# KiCad board MinicalcControlPanel.kicad_pcb (continued)
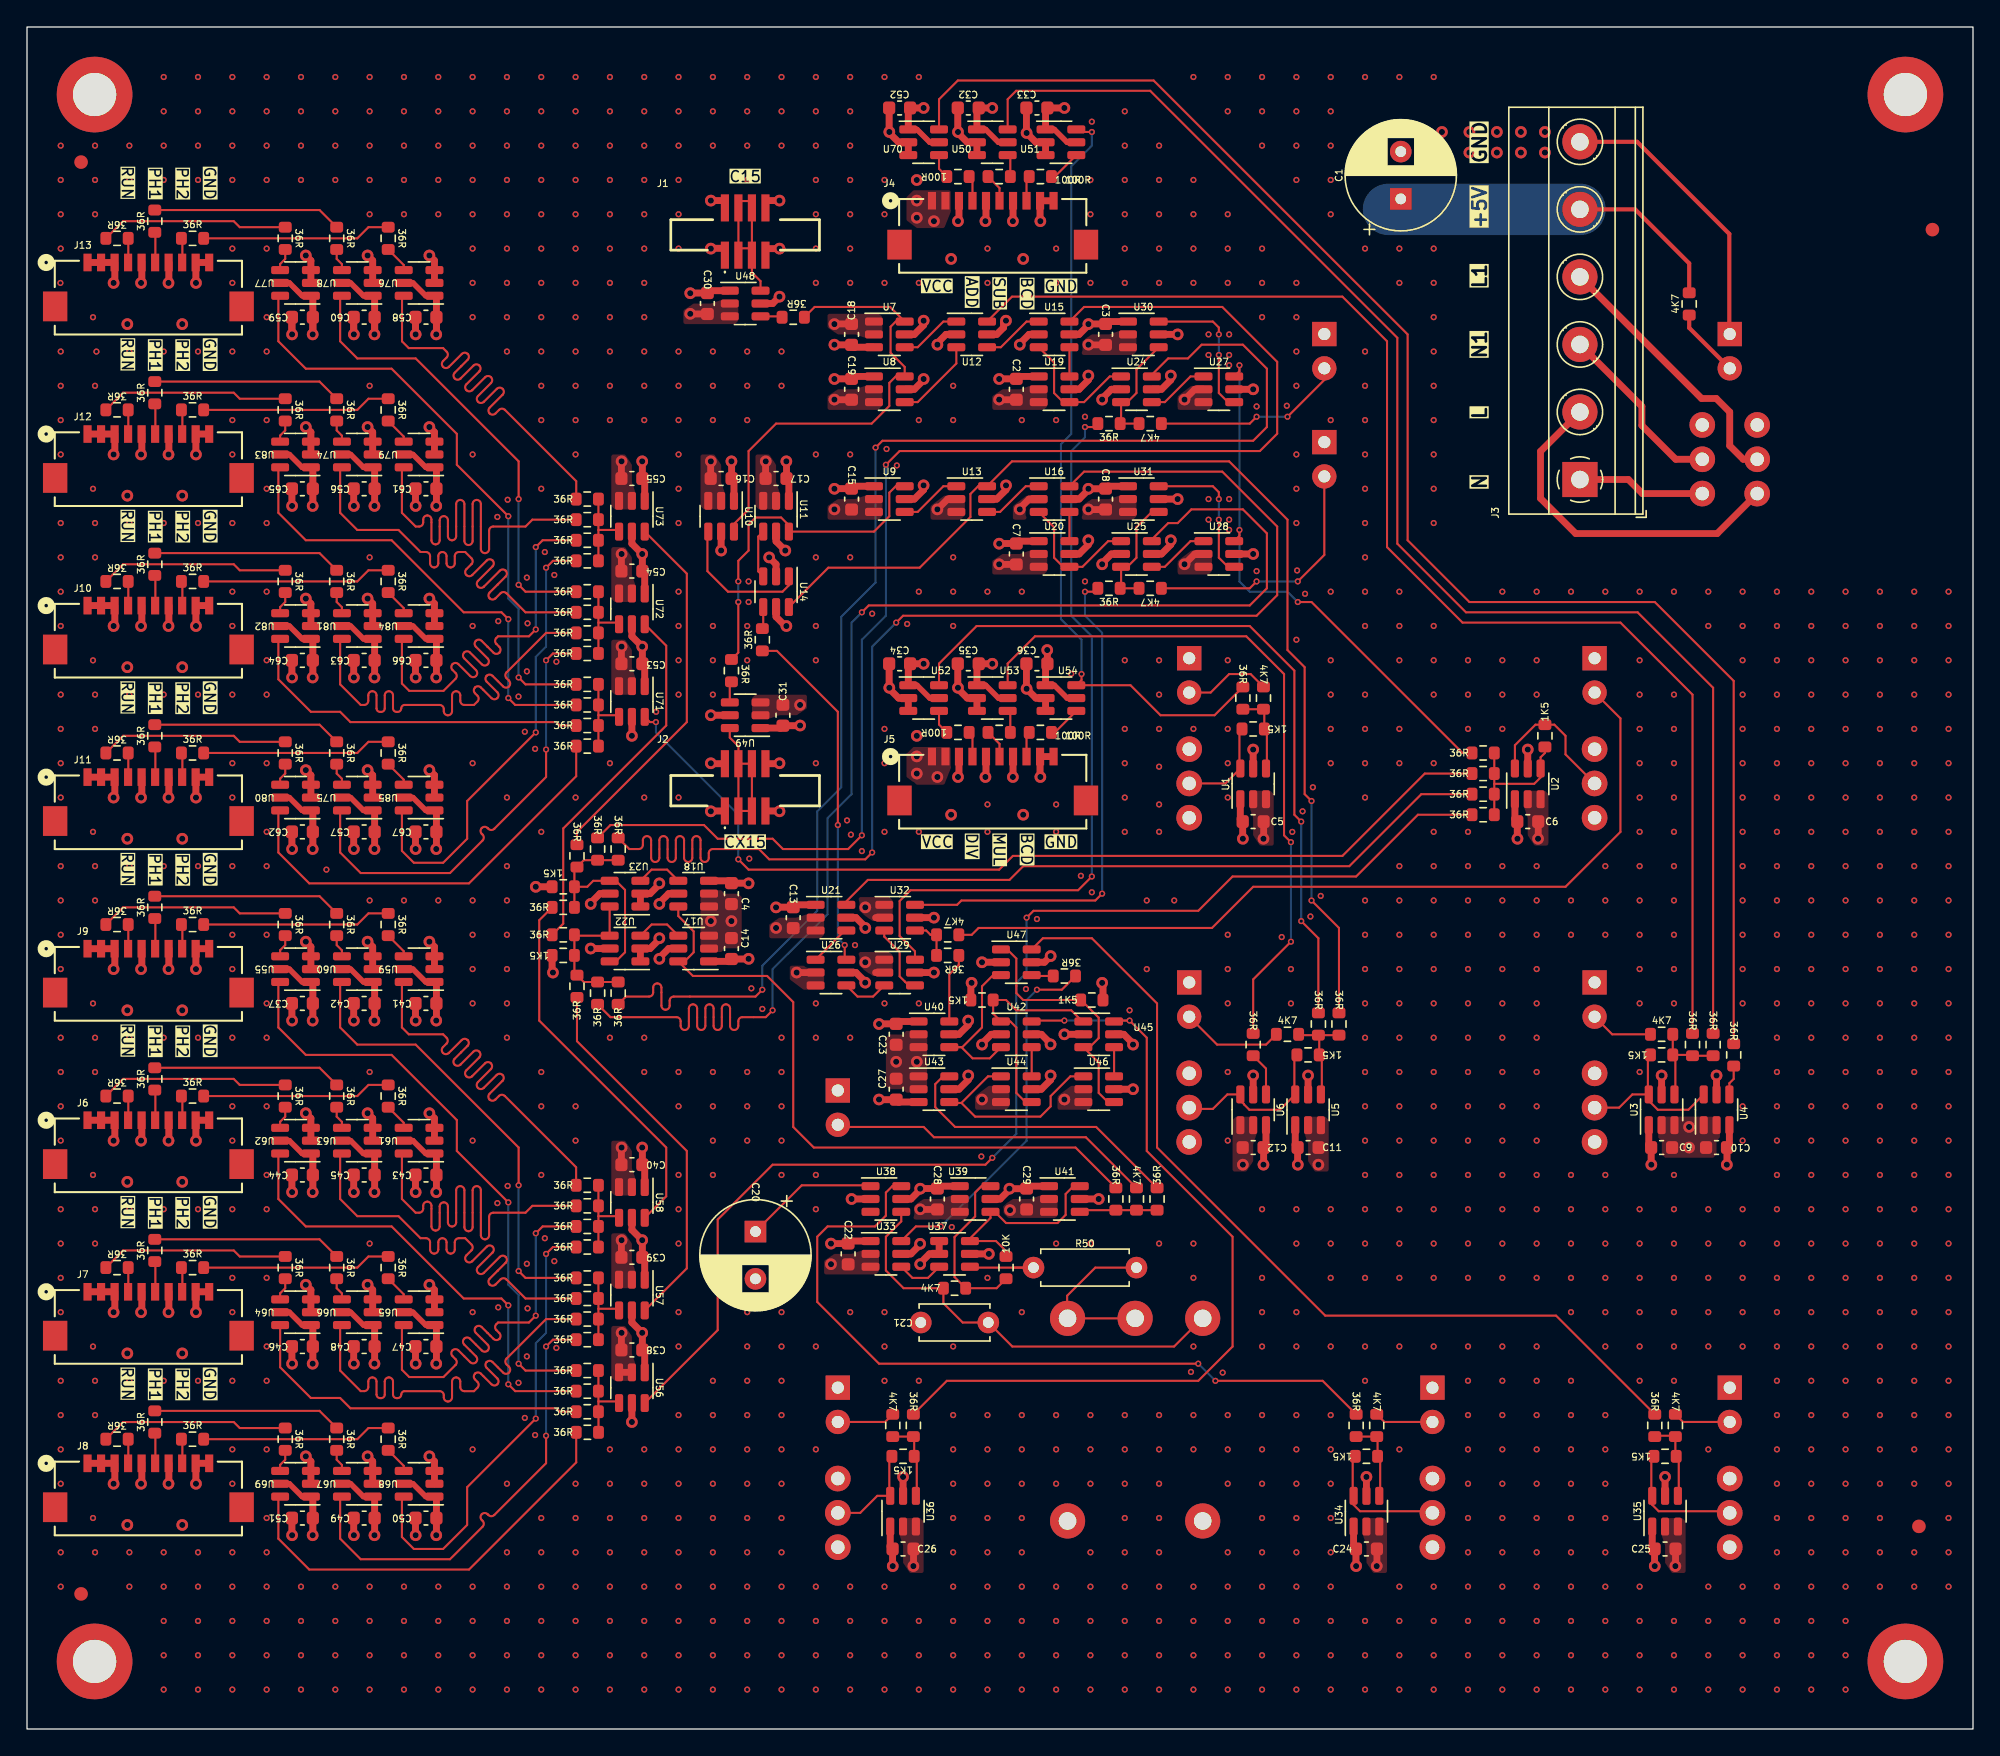
[diagram p0: board, top side]
## Placement (name value [footprint] x y rotation side) (continued)
R97  36R  [Meu-R_0603_1608Metric]  6.66 21.46 180 top
R98  100R  [Meu-R_0603_1608Metric]  68.89 114.93 180 top
R99  36R  [Meu-R_0603_1608Metric]  41.46 72.76 0 top
R100  36R  [Meu-R_0603_1608Metric]  41.46 74.29 0 top
R101  36R  [Meu-R_0603_1608Metric]  41.46 75.81 0 top
R102  36R  [Meu-R_0603_1608Metric]  41.46 77.34 0 top
R103  36R  [Meu-R_0603_1608Metric]  41.46 79.62 0 top
R104  36R  [Meu-R_0603_1608Metric]  41.46 81.15 0 top
R105  36R  [Meu-R_0603_1608Metric]  41.46 82.67 0 top
R106  36R  [Meu-R_0603_1608Metric]  41.46 84.19 0 top
R107  36R  [Meu-R_0603_1608Metric]  41.46 86.48 0 top
R108  36R  [Meu-R_0603_1608Metric]  41.46 88 0 top
R109  36R  [Meu-R_0603_1608Metric]  41.46 89.53 0 top
R110  36R  [Meu-R_0603_1608Metric]  41.46 91.05 0 top
R111  36R  [Meu-R_0603_1608Metric]  22.92 97.66 270 top
R112  36R  [Meu-R_0603_1608Metric]  9.45 98.93 90 top
R113  36R  [Meu-R_0603_1608Metric]  22.92 72.26 270 top
R114  36R  [Meu-R_0603_1608Metric]  9.45 73.53 90 top
R115  36R  [Meu-R_0603_1608Metric]  26.73 110.36 270 top
R116  36R  [Meu-R_0603_1608Metric]  12.25 110.36 0 top
R117  36R  [Meu-R_0603_1608Metric]  19.11 110.36 270 top
R118  36R  [Meu-R_0603_1608Metric]  6.66 110.36 180 top
R119  36R  [Meu-R_0603_1608Metric]  22.92 110.36 270 top
R120  36R  [Meu-R_0603_1608Metric]  9.45 111.63 90 top
R121  36R  [Meu-R_0603_1608Metric]  26.73 97.66 270 top
R122  36R  [Meu-R_0603_1608Metric]  12.25 97.66 0 top
R123  36R  [Meu-R_0603_1608Metric]  19.11 72.26 270 top
R124  36R  [Meu-R_0603_1608Metric]  6.66 72.26 180 top
R125  36R  [Meu-R_0603_1608Metric]  22.92 84.96 270 top
R126  36R  [Meu-R_0603_1608Metric]  9.45 86.23 90 top
R127  36R  [Meu-R_0603_1608Metric]  19.11 84.96 270 top
R128  36R  [Meu-R_0603_1608Metric]  6.66 84.96 180 top
R129  36R  [Meu-R_0603_1608Metric]  19.11 97.66 270 top
R130  36R  [Meu-R_0603_1608Metric]  6.66 97.66 180 top
R131  36R  [Meu-R_0603_1608Metric]  26.73 84.96 270 top
R132  36R  [Meu-R_0603_1608Metric]  12.25 84.96 0 top
R133  36R  [Meu-R_0603_1608Metric]  26.73 72.26 270 top
R134  36R  [Meu-R_0603_1608Metric]  12.25 72.26 0 top
RV1  470R  [POT_Vertical_PC16SV]  82 20 180 bottom
SW1  SW_SPDT  [SW_Toggle_SPDT_Vertical_Mini]  86 70 180 bottom
SW2  SW_SPDT  [SW_Toggle_SPDT_Vertical_Mini]  116 70 180 bottom
SW3  SW_SPDT  [SW_Toggle_SPDT_Vertical_Mini]  116 46 180 bottom
SW4  SW_SPDT  [SW_Toggle_SPDT_Vertical_Mini]  86 46 180 bottom
SW5  SW_DPDT  [SW_Toggle_DPDT_Vertical_Mini]  126 94 180 bottom
SW6  SW_SPDT  [SW_Toggle_SPDT_Vertical_Mini]  104 16 180 bottom
SW7  SW_SPDT  [SW_Toggle_SPDT_Vertical_Mini]  126 16 180 bottom
SW8  SW_SPDT  [SW_Toggle_SPDT_Vertical_Mini]  60 16 180 bottom
U1  1G3157  [SOT-23-6]  90.73 69.97 90 top
U2  1G3157  [SOT-23-6]  111.05 69.97 90 top
U3  1G3157  [SOT-23-6]  120.96 45.84 90 top
U4  1G3157  [SOT-23-6]  125.02 45.84 90 top
U5  1G3157  [SOT-23-6]  94.8 45.84 90 top
U6  1G3157  [SOT-23-6]  90.73 45.84 90 top
U7  1G3157  [SOT-23-6]  63.81 103.24 0 top
U8  1G3157  [SOT-23-6]  63.81 99.18 0 top
U9  1G3157  [SOT-23-6]  63.81 91.05 0 top
U10  1G3157  [SOT-23-6]  51.36 89.78 270 top
U11  1G3157  [SOT-23-6]  55.43 89.78 270 top
U12  1G3157  [SOT-23-6]  69.91 103.24 0 top
U13  1G3157  [SOT-23-6]  69.91 91.05 0 top
U14  1G3157  [SOT-23-6]  55.43 84.19 270 top
U15  1G3157  [SOT-23-6]  76 103.24 0 top
U16  1G3157  [SOT-23-6]  76 91.05 0 top
U17  1G3157  [SOT-23-6]  49.33 57.78 180 top
U18  1G3157  [SOT-23-6]  49.33 61.84 180 top
U19  1G3157  [SOT-23-6]  76 99.18 0 top
U20  1G3157  [SOT-23-6]  76 86.99 0 top
U21  1G3157  [SOT-23-6]  59.49 60.06 0 top
U22  1G3157  [SOT-23-6]  44.25 57.78 180 top
U23  1G3157  [SOT-23-6]  44.25 61.84 180 top
U24  1G3157  [SOT-23-6]  82.1 99.18 0 top
U25  1G3157  [SOT-23-6]  82.1 86.99 0 top
U26  1G3157  [SOT-23-6]  59.49 56 0 top
U27  1G3157  [SOT-23-6]  88.19 99.18 0 top
U28  1G3157  [SOT-23-6]  88.19 86.99 0 top
U29  1G3157  [SOT-23-6]  64.57 56 0 top
U30  1G3157  [SOT-23-6]  82.61 103.24 0 top
U31  1G3157  [SOT-23-6]  82.61 91.05 0 top
U32  1G3157  [SOT-23-6]  64.57 60.06 0 top
U33  1G3157  [SOT-23-6]  63.56 35.17 0 top
U34  1G3157  [SOT-23-6]  99.12 16.12 90 top
U35  1G3157  [SOT-23-6]  121.21 16.12 90 top
U36  1G3157  [SOT-23-6]  64.83 16.12 90 top
U37  1G3157  [SOT-23-6]  68.64 35.17 0 top
U38  1G3157  [SOT-23-6]  63.56 39.24 0 top
U39  1G3157  [SOT-23-6]  70.16 39.24 0 top
U40  1G3157  [SOT-23-6]  67.11 51.43 0 top
U41  1G3157  [SOT-23-6]  76.76 39.24 0 top
U42  1G3157  [SOT-23-6]  73.21 51.43 0 top
U43  1G3157  [SOT-23-6]  67.11 47.36 0 top
U44  1G3157  [SOT-23-6]  73.21 47.36 0 top
U45  1G3157  [SOT-23-6]  79.3 51.43 0 top
U46  1G3157  [SOT-23-6]  79.3 47.36 0 top
U47  1G3157  [SOT-23-6]  73.21 56.76 0 top
U48  1G3157  [SOT-23-6]  53.14 105.53 0 top
U49  1G3157  [SOT-23-6]  53.14 75.05 180 top
U50  1G3157  [SOT-23-6]  71.43 117.47 0 top
U51  1G3157  [SOT-23-6]  76.51 117.47 0 top
U52  1G3157  [SOT-23-6]  66.35 76.32 0 top
U53  1G3157  [SOT-23-6]  71.43 76.32 0 top
U54  1G3157  [SOT-23-6]  76.51 76.32 0 top
U55  1G3157  [SOT-23-6]  19.87 56.25 180 top
U56  1G3157  [SOT-23-6]  44.76 25.27 270 top
U57  1G3157  [SOT-23-6]  44.76 32.12 270 top
U58  1G3157  [SOT-23-6]  44.76 38.98 270 top
U59  1G3157  [SOT-23-6]  29.01 56.25 180 top
U60  1G3157  [SOT-23-6]  24.44 56.25 180 top
U61  1G3157  [SOT-23-6]  29.01 43.55 180 top
U62  1G3157  [SOT-23-6]  19.87 43.55 180 top
U63  1G3157  [SOT-23-6]  24.44 43.55 180 top
U64  1G3157  [SOT-23-6]  19.87 30.85 180 top
U65  1G3157  [SOT-23-6]  29.01 30.85 180 top
U66  1G3157  [SOT-23-6]  24.44 30.85 180 top
U67  1G3157  [SOT-23-6]  24.44 18.15 180 top
U68  1G3157  [SOT-23-6]  29.01 18.15 180 top
U69  1G3157  [SOT-23-6]  19.87 18.15 180 top
U70  1G3157  [SOT-23-6]  66.35 117.47 0 top
U71  1G3157  [SOT-23-6]  44.76 76.07 270 top
U72  1G3157  [SOT-23-6]  44.76 82.92 270 top
U73  1G3157  [SOT-23-6]  44.76 89.78 270 top
U74  1G3157  [SOT-23-6]  24.44 94.35 180 top
U75  1G3157  [SOT-23-6]  24.44 68.95 180 top
U76  1G3157  [SOT-23-6]  29.01 107.05 180 top
U77  1G3157  [SOT-23-6]  19.87 107.05 180 top
U78  1G3157  [SOT-23-6]  24.44 107.05 180 top
U79  1G3157  [SOT-23-6]  29.01 94.35 180 top
U80  1G3157  [SOT-23-6]  19.87 68.95 180 top
U81  1G3157  [SOT-23-6]  24.44 81.65 180 top
U82  1G3157  [SOT-23-6]  19.87 81.65 180 top
U83  1G3157  [SOT-23-6]  19.87 94.35 180 top
U84  1G3157  [SOT-23-6]  29.01 81.65 180 top
U85  1G3157  [SOT-23-6]  29.01 68.95 180 top

## Library data of the parts
C1 C20 = -: Description: Polarized capacitor; Sim.Device: C; Sim.Pins: 1=+ 2=-
C2-C19 C21-C67 = -: Description: Unpolarized capacitor
D1-D11 = -: Description: Light emitting diode
FID1-FID4 = -: Description: Fiducial Marker
H1-H4 = -: Description: Mounting Hole without connection
J1 J2 = -: Description: FFC & FPC Connectors 04W, 1mm FFC Con, Vert, H5.5mm, Gold, SMT, T&R; Height: 5.6; Manufacturer_Name: GCT (GLOBAL CONNECTOR TECHNOLOGY); Manufacturer_Part_Number: FFC3A20-04-G
J3 = -: Description: Generic connector, single row, 01x06, script generated
R1-R134 = -: Description: Resistor
RV1 = -: Description: Potentiometer
SW1-SW8 = -: Description: Switch, single pole double throw
U1-U85 = -: Manufacturer: Texas Instruments; Part Number: SN74LVC1G3157DBVR; Sim.Device: SUBCKT; Sim.Library: ../SpiceModelsGlobal/AnalogSPDT.txt; Sim.Name: 74LVC1G3157; Sim.Pins: 1=1 3=3 4=4 5=5 6=6

## Footprints (pads in the part's own frame, mm; a bottom-side part is the same pattern mirrored in y, then rotated)
C_0603_1608Metric
  rrect 0.9x0.95 smd: 1(-0.775,0) 2(0.775,0)
C_Disc_D5.0mm_W2.5mm_P5.00mm
  round 1.6 hole 0.8: 1(0,0) 2(5,0)
CONN_XF3M1-1015-1B_OMR
  rect 0.6x1.3 smd: 1(-4.5,0) 2(-3.5,0) 3(-2.5,0) 4(-1.5,0) 5(-0.5,0) 6(0.5,0) 7(1.5,0) 8(2.5,0) 9(3.5,0) 10(4.5,0)
  rect 1.8x2.2 smd: 11(-6.9,-3.25) 12(6.9,-3.25)
CP_Radial_D8.0mm_P3.50mm
  rect 1.6x1.6 hole 0.8: 1(0,0)
  round 1.6 hole 0.8: 2(3.5,0)
FFC3A2004G_meu
  rect 0.6x2 smd: 1(-1.5,2) 1(-1.5,-1.5) 2(-0.5,2) 2(-0.5,-1.5) 3(0.5,2) 3(0.5,-1.5) 4(1.5,2) 4(1.5,-1.5)
Fiducial_1mm_Mask2mm
  round 1 smd: (0,0)
LED_D3.0mm_Centrat
  rect 1.8x1.8 hole 0.9: 1(-1.27,0)
  round 1.8 hole 0.9: 2(1.27,0)
Meu-R_0603_1608Metric
  rrect 0.8x0.95 smd: 1(-0.825,0) 2(0.825,0)
MountingHole_3.2mm_M3_DIN965_Pad
  round 5.6 hole 3.2: 1(0,0)
POT_Vertical_PC16SV
  round 2.6 hole 1.3: (-5,-4.6) (5,-4.6) 1(-5,10.4) 2(0,10.4) 3(5,10.4)
R_Axial_DIN0207_L6.3mm_D2.5mm_P7.62mm_Horizontal
  round 1.6 hole 0.8: 1(0,0)
  oval 1.6x1.6 hole 0.8: 2(7.62,0)
SOT-23-6
  rrect 1.325x0.6 smd: 1(-1.137,0.95) 2(-1.137,0) 3(-1.137,-0.95) 4(1.137,-0.95) 5(1.137,0) 6(1.137,0.95)
SW_Toggle_DPDT_Vertical_Mini
  round 1.9 hole 1: 1(-2.032,2.54) 2(-2.032,0) 3(-2.032,-2.54) 4(2.032,2.54) 5(2.032,0) 6(2.032,-2.54)
SW_Toggle_SPDT_Vertical_Mini
  round 1.9 hole 1: 1(0,2.54) 2(0,0) 3(0,-2.54)
TerminalBlock_Phoenix_MKDS-1,5-6_1x06_P5.00mm_Horizontal
  rect 2.6x2.6 hole 1.3: 1(0,0)
  round 2.6 hole 1.3: 2(5,0) 3(10,0) 4(15,0) 5(20,0) 6(25,0)

## Nets
GND: C1.2 C2.2 C3.2 C4.2 C5.2 C6.2 C7.2 C8.2 C9.2 C10.2 C11.2 C12.2 C13.2 C14.2 C15.2 C16.2 C17.2 C18.2 C19.2 C20.2 C21.2 C22.2 C23.2 C24.2 C25.2 C26.2 C27.2 C28.2 C29.2 C30.2 C31.2 C32.2 C33.2 C34.2 C35.2 C36.2 C37.2 C38.2 C39.2 C40.2 C41.2 C42.2 C43.2 C44.2 C45.2 C46.2 C47.2 C48.2 C49.2 C50.2 C51.2 C52.2 C53.2 C54.2 C55.2 C56.2 C57.2 C58.2 C59.2 C60.2 C61.2 C62.2 C63.2 C64.2 C65.2 C66.2 C67.2 D1.1 D2.1 D3.1 D4.1 D5.1 D6.1 D7.1 D8.1 D9.1 D10.1 D11.1 J1.1 J1.4 J2.1 J2.4 J3.6 J4.3 J4.5 J4.7 J4.9 J4.10 J5.3 J5.5 J5.7 J5.9 J5.10 J6.1 J6.2 J6.3 J6.5 J6.7 J6.9 J6.10 J7.1 J7.2 J7.3 J7.5 J7.7 J7.9 J7.10 J8.1 J8.2 J8.3 J8.5 J8.7 J8.9 J8.10 J9.1 J9.2 J9.3 J9.5 J9.7 J9.9 J9.10 J10.1 J10.2 J10.3 J10.5 J10.7 J10.9 J10.10 J11.1 J11.2 J11.3 J11.5 J11.7 J11.9 J11.10 J12.1 J12.2 J12.3 J12.5 J12.7 J12.9 J12.10 J13.1 J13.2 J13.3 J13.5 J13.7 J13.9 J13.10 R24.2 R25.2 R54.2 R55.2 SW1.1 SW2.1 SW3.1 SW4.1 SW6.1 SW7.1 SW8.1 U1.2 U1.3 U2.2 U2.3 U3.2 U3.3 U4.1 U4.2 U5.2 U5.3 U6.1 U6.2 U7.1 U7.2 U8.2 U8.3 U9.2 U9.3 U10.2 U10.3 U11.2 U11.3 U12.2 U13.2 U13.3 U14.2 U15.2 U16.2 U17.2 U17.3 U18.1 U18.2 U19.2 U19.3 U20.2 U20.3 U21.2 U21.3 U22.1 U22.2 U23.1 U23.2 U24.2 U25.2 U26.2 U26.3 U27.2 U27.3 U28.2 U28.3 U29.1 U29.2 U30.2 U30.3 U31.2 U31.3 U32.1 U32.2 U33.2 U33.3 U34.2 U34.3 U35.2 U35.3 U36.2 U36.3 U37.1 U37.2 U38.2 U39.2 U39.3 U40.2 U40.3 U41.2 U41.3 U42.2 U43.1 U43.2 U44.2 U44.3 U45.2 U46.2 U46.3 U47.2 U48.2 U48.3 U49.2 U49.3 U50.2 U50.3 U51.2 U51.3 U52.2 U52.3 U53.2 U53.3 U54.2 U54.3 U55.2 U55.3 U56.2 U56.3 U57.2 U57.3 U58.2 U58.3 U59.2 U59.3 U60.2 U60.3 U61.2 U61.3 U62.2 U62.3 U63.2 U63.3 U64.2 U64.3 U65.2 U65.3 U66.2 U66.3 U67.2 U67.3 U68.2 U68.3 U69.2 U69.3 U70.2 U70.3 U71.2 U71.3 U72.2 U72.3 U73.2 U73.3 U74.2 U74.3 U75.2 U75.3 U76.2 U76.3 U77.2 U77.3 U78.2 U78.3 U79.2 U79.3 U80.2 U80.3 U81.2 U81.3 U82.2 U82.3 U83.2 U83.3 U84.2 U84.3 U85.2 U85.3
VCC: C1.1 C2.1 C3.1 C4.1 C5.1 C6.1 C7.1 C8.1 C9.1 C10.1 C11.1 C12.1 C13.1 C14.1 C15.1 C16.1 C17.1 C18.1 C19.1 C22.1 C23.1 C24.1 C25.1 C26.1 C27.1 C28.1 C29.1 C30.1 C31.1 C32.1 C33.1 C34.1 C35.1 C36.1 C37.1 C38.1 C39.1 C40.1 C41.1 C42.1 C43.1 C44.1 C45.1 C46.1 C47.1 C48.1 C49.1 C50.1 C51.1 C52.1 C53.1 C54.1 C55.1 C56.1 C57.1 C58.1 C59.1 C60.1 C61.1 C62.1 C63.1 C64.1 C65.1 C66.1 C67.1 J3.5 J4.1 J4.2 J5.1 J5.2 R40.2 SW1.3 SW2.3 SW3.3 SW4.3 SW6.3 SW7.3 SW8.3 U1.1 U1.5 U2.1 U2.5 U3.1 U3.5 U4.3 U4.5 U5.1 U5.5 U6.3 U6.5 U7.3 U7.5 U8.1 U8.5 U9.1 U9.5 U10.1 U10.5 U11.1 U11.5 U12.5 U13.5 U14.5 U15.5 U16.5 U17.1 U17.5 U18.3 U18.5 U19.1 U19.5 U20.1 U20.5 U21.1 U21.5 U22.5 U23.5 U24.5 U25.5 U26.5 U27.5 U28.5 U29.5 U30.1 U30.5 U31.1 U31.5 U32.5 U33.1 U33.5 U34.1 U34.5 U35.1 U35.5 U36.1 U36.5 U37.5 U38.5 U39.1 U39.5 U40.1 U40.5 U41.1 U41.5 U42.5 U43.3 U43.5 U44.5 U45.5 U46.5 U47.5 U48.1 U48.5 U49.1 U49.5 U50.1 U50.5 U51.1 U51.5 U52.1 U52.5 U53.1 U53.5 U54.1 U54.5 U55.1 U55.5 U56.1 U56.5 U57.1 U57.5 U58.1 U58.5 U59.1 U59.5 U60.1 U60.5 U61.1 U61.5 U62.1 U62.5 U63.1 U63.5 U64.1 U64.5 U65.1 U65.5 U66.1 U66.5 U67.1 U67.5 U68.1 U68.5 U69.1 U69.5 U70.1 U70.5 U71.1 U71.5 U72.1 U72.5 U73.1 U73.5 U74.1 U74.5 U75.1 U75.5 U76.1 U76.5 U77.1 U77.5 U78.1 U78.5 U79.1 U79.5 U80.1 U80.5 U81.1 U81.5 U82.1 U82.5 U83.1 U83.5 U84.1 U84.5 U85.1 U85.5
/ADD: R16.1 U70.6
/BCD: R8.1 U51.6 U54.6
/BCD_LED: D3.2 R7.1
/C15: R5.1 U7.6 U8.6 U10.6
/CK: R22.1 U17.6 U18.6
/CLK_LED: D6.2 R21.1
/Clock/CKS: R53.2 U43.6
/Clock/CLK: R21.2 R22.2 R53.1 U41.4
/Clock/DISCRETE: R47.1 U47.6
/Clock/DISCRETE_LED: D10.2 R46.1
/Clock/ENABLE: R56.1 U33.6
/Clock/SLOW: R45.1 U38.6
/Clock/SLOW_LED: D9.2 R44.1
/Clock/STEP: R49.1 U42.6 U45.6
/Clock/STEP_LED: D11.2 R48.1
/ClockDistributionA/ClockDistributionSingle1/O50_16/O: J12.8 R122.1
/ClockDistributionA/ClockDistributionSingle1/O50_17/O: J12.6 R112.1
/ClockDistributionA/ClockDistributionSingle1/O50_18/O: J12.4 R130.1
/ClockDistributionA/ClockDistributionSingle2/O50_16/O: J10.8 R132.1
/ClockDistributionA/ClockDistributionSingle2/O50_17/O: J10.6 R126.1
/ClockDistributionA/ClockDistributionSingle2/O50_18/O: J10.4 R128.1
/ClockDistributionA/ClockDistributionSingle3/O50_16/O: J11.8 R134.1
/ClockDistributionA/ClockDistributionSingle3/O50_17/O: J11.6 R114.1
/ClockDistributionA/ClockDistributionSingle3/O50_18/O: J11.4 R124.1
/ClockDistributionA/ClockDistributionSingle/O50_16/O: J13.8 R116.1
/ClockDistributionA/ClockDistributionSingle/O50_17/O: J13.6 R120.1
/ClockDistributionA/ClockDistributionSingle/O50_18/O: J13.4 R118.1
/ClockDistributionA/PH1_1: R103.1 U75.6
/ClockDistributionA/PH1_2: R104.1 U81.6
/ClockDistributionA/PH1_3: R105.1 U74.6
/ClockDistributionA/PH1_4: R106.1 U78.6
/ClockDistributionA/PH2_1: R107.1 U85.6
/ClockDistributionA/PH2_2: R108.1 U84.6
/ClockDistributionA/PH2_3: R109.1 U79.6
/ClockDistributionA/PH2_4: R110.1 U76.6
/ClockDistributionA/RUN_1: R99.1 U80.6
/ClockDistributionA/RUN_2: R100.1 U82.6
/ClockDistributionA/RUN_3: R101.1 U83.6
/ClockDistributionA/RUN_4: R102.1 U77.6
/ClockDistributionX/ClockDistributionSingle1/O50_16/O: J6.8 R81.1
/ClockDistributionX/ClockDistributionSingle1/O50_17/O: J6.6 R85.1
/ClockDistributionX/ClockDistributionSingle1/O50_18/O: J6.4 R83.1
/ClockDistributionX/ClockDistributionSingle2/O50_16/O: J7.8 R89.1
/ClockDistributionX/ClockDistributionSingle2/O50_17/O: J7.6 R91.1
/ClockDistributionX/ClockDistributionSingle2/O50_18/O: J7.4 R87.1
/ClockDistributionX/ClockDistributionSingle3/O50_16/O: J8.8 R95.1
/ClockDistributionX/ClockDistributionSingle3/O50_17/O: J8.6 R93.1
/ClockDistributionX/ClockDistributionSingle3/O50_18/O: J8.4 R97.1
/ClockDistributionX/ClockDistributionSingle/O50_16/O: J9.8 R77.1
/ClockDistributionX/ClockDistributionSingle/O50_17/O: J9.6 R79.1
/ClockDistributionX/ClockDistributionSingle/O50_18/O: J9.4 R63.1
/ClockDistributionX/PH1_1: R68.1 U67.6
/ClockDistributionX/PH1_2: R69.1 U66.6
/ClockDistributionX/PH1_3: R70.1 U63.6
/ClockDistributionX/PH1_4: R71.1 U60.6
/ClockDistributionX/PH2_1: R72.1 U68.6
/ClockDistributionX/PH2_2: R73.1 U65.6
/ClockDistributionX/PH2_3: R74.1 U61.6
/ClockDistributionX/PH2_4: R75.1 U59.6
/ClockDistributionX/RUN_1: R64.1 U69.6
/ClockDistributionX/RUN_2: R65.1 U64.6
/ClockDistributionX/RUN_3: R66.1 U62.6
/ClockDistributionX/RUN_4: R67.1 U55.6
/CONTINUE: R23.1 U26.6
/CX15: R6.1 U9.6 U11.6
/DIV_1: R18.1 U13.6 U14.6
/DIV_2: R19.1 U52.6
/DIV_LED: D8.2 R17.1
/DIVZERO: R37.1 U32.6
/DIVZERO_LED: D5.2 R36.1
/EXEC: R39.1 U40.6
/EXEC_LED: D2.2 R38.1
/IN11/I: J1.2 J1.3 U48.6
/IN11/O: R5.2 U48.4
/IN12/I: J2.2 J2.3 U49.6
/IN12/O: R6.2 U49.4
/MUL: R20.1 U53.6
/OUT0/O: J4.4 R98.1
/OUT1/O: J4.6 R57.1
/OUT2/O: J4.8 R58.1
/OUT3/O: J5.4 R59.1
/OUT4/O: J5.6 R60.1
/OUT5/O: J5.8 R61.1
/OVERFLOW: R35.1 U29.6
/OVERFLOW_LED: D4.2 R34.1
/PH1_1: R26.1 U24.6
/PH1_2: R27.1 U25.6
/PH1_3: R28.1 U72.6
/PH1_4: R29.1 U57.6
/PH2_1: R30.1 U15.6
/PH2_2: R31.1 U16.6
/PH2_3: R32.1 U73.6
/PH2_4: R33.1 U58.6
/RUN_1: R9.1 U27.6 U28.6
/RUN_2: R10.1 U21.6
/RUN_3: R11.1 U71.6
/RUN_4: R12.1 U56.6
/SUB_1: R14.1 U12.6
/SUB_2: R15.1 U50.6
/SUB_LED: D7.2 R13.1
Net-(C20-Pad1): C20.1 U38.1
Net-(C21-Pad1): C21.1 R51.1 RV1.1 U38.4
Net-(D1-A): D1.2 R40.1
Net-(J3-Pin_1): J3.1 SW5.6
Net-(J3-Pin_2): J3.2 SW5.3
Net-(J3-Pin_3): J3.3 SW5.5
Net-(J3-Pin_4): J3.4 SW5.2
Net-(R1-Pad1): R1.1 R7.2 R8.2 U1.4
Net-(R10-Pad2): R2.1 R9.2 R10.2 R11.2 R12.2 U2.4
Net-(R13-Pad2): R3.1 R13.2 R14.2 R15.2 U3.4
Net-(R16-Pad2): R16.2 U4.4
Net-(R17-Pad2): R4.1 R17.2 R18.2 R19.2 U5.4
Net-(R20-Pad2): R20.2 U6.4
Net-(R23-Pad2): R23.2 U14.4
Net-(R24-Pad1): R24.1 R30.2 R31.2 R32.2 R33.2 U22.6 U23.4
Net-(R25-Pad1): R25.1 R26.2 R27.2 R28.2 R29.2 U22.4 U23.6
Net-(R34-Pad2): R34.2 R35.2 U24.3 U30.4
Net-(R36-Pad2): R36.2 R37.2 U25.3 U31.4
Net-(R38-Pad2): R38.2 R39.2 U32.4
Net-(R41-Pad1): R41.1 R44.2 R45.2 U34.4
Net-(R42-Pad1): R42.1 R46.2 R47.2 U35.4
Net-(R43-Pad1): R43.1 R48.2 R49.2 U36.4
Net-(R50-Pad1): R50.1 U37.4
Net-(R50-Pad2): R50.2 RV1.2 RV1.3
Net-(R51-Pad2): R51.2 R52.1 U39.6
Net-(R52-Pad2): R52.2 U37.6 U39.4 U41.6
Net-(R54-Pad1): R54.1 U42.1 U44.4 U45.1
Net-(R55-Pad1): R55.1 U45.3 U46.4 U47.1
Net-(R56-Pad2): R56.2 U47.4
Net-(R57-Pad2): R57.2 U50.4
Net-(R58-Pad2): R58.2 U51.4
Net-(R59-Pad2): R59.2 U52.4
Net-(R60-Pad2): R60.2 U53.4
Net-(R61-Pad2): R61.2 U54.4
Net-(R62-Pad1): R62.1 R63.2
Net-(R62-Pad2): R62.2 U55.4
Net-(R64-Pad2): R64.2 R65.2 R66.2 R67.2 U56.4
Net-(R68-Pad2): R68.2 R69.2 R70.2 R71.2 U57.4
Net-(R72-Pad2): R72.2 R73.2 R74.2 R75.2 U58.4
Net-(R76-Pad1): R76.1 R77.2
Net-(R76-Pad2): R76.2 U59.4
Net-(R78-Pad1): R78.1 R79.2
Net-(R78-Pad2): R78.2 U60.4
Net-(R80-Pad1): R80.1 R81.2
Net-(R80-Pad2): R80.2 U61.4
Net-(R82-Pad1): R82.1 R83.2
Net-(R82-Pad2): R82.2 U62.4
Net-(R84-Pad1): R84.1 R85.2
Net-(R84-Pad2): R84.2 U63.4
Net-(R86-Pad1): R86.1 R87.2
Net-(R86-Pad2): R86.2 U64.4
Net-(R88-Pad1): R88.1 R89.2
Net-(R88-Pad2): R88.2 U65.4
Net-(R90-Pad1): R90.1 R91.2
Net-(R90-Pad2): R90.2 U66.4
Net-(R92-Pad1): R92.1 R93.2
Net-(R92-Pad2): R92.2 U67.4
Net-(R94-Pad1): R94.1 R95.2
Net-(R94-Pad2): R94.2 U68.4
Net-(R96-Pad1): R96.1 R97.2
Net-(R96-Pad2): R96.2 U69.4
Net-(R98-Pad2): R98.2 U70.4
Net-(R100-Pad2): R99.2 R100.2 R101.2 R102.2 U71.4
Net-(R103-Pad2): R103.2 R104.2 R105.2 R106.2 U72.4
Net-(R107-Pad2): R107.2 R108.2 R109.2 R110.2 U73.4
Net-(R111-Pad1): R111.1 R112.2
Net-(R111-Pad2): R111.2 U74.4
Net-(R113-Pad1): R113.1 R114.2
Net-(R113-Pad2): R113.2 U75.4
Net-(R115-Pad1): R115.1 R116.2
Net-(R115-Pad2): R115.2 U76.4
Net-(R117-Pad1): R117.1 R118.2
Net-(R117-Pad2): R117.2 U77.4
Net-(R119-Pad1): R119.1 R120.2
Net-(R119-Pad2): R119.2 U78.4
Net-(R121-Pad1): R121.1 R122.2
Net-(R121-Pad2): R121.2 U79.4
Net-(R123-Pad1): R123.1 R124.2
Net-(R123-Pad2): R123.2 U80.4
Net-(R125-Pad1): R125.1 R126.2
Net-(R125-Pad2): R125.2 U81.4
Net-(R127-Pad1): R127.1 R128.2
Net-(R127-Pad2): R127.2 U82.4
Net-(R129-Pad1): R129.1 R130.2
Net-(R129-Pad2): R129.2 U83.4
Net-(R131-Pad1): R131.1 R132.2
Net-(R131-Pad2): R131.2 U84.4
Net-(R133-Pad1): R133.1 R134.2
Net-(R133-Pad2): R133.2 U85.4
Net-(SW1-B): R1.2 SW1.2 U1.6
Net-(SW2-B): R2.2 SW2.2 U2.6
Net-(SW3-B): R3.2 SW3.2 U3.6 U4.6
Net-(SW4-B): R4.2 SW4.2 U5.6 U6.6
Net-(SW6-B): R41.2 SW6.2 U34.6
Net-(SW7-B): R42.2 SW7.2 U35.6
Net-(SW8-B): R43.2 SW8.2 U36.6
Net-(U10-Pad4): U10.4 U14.1
Net-(U11-Pad4): U11.4 U14.3
Net-(U12-Pad1): U7.4 U12.1
Net-(U12-Pad3): U8.4 U12.3
Net-(U12-Pad4): U12.4 U15.1
Net-(U13-Pad1): U9.4 U13.1
Net-(U13-Pad4): U13.4 U16.1
Net-(U15-Pad3): U15.3 U19.4 U24.1
Net-(U15-Pad4): U15.4 U19.6
Net-(U16-Pad3): U16.3 U20.4 U25.1
Net-(U16-Pad4): U16.4 U20.6
Net-(U17-Pad4): U17.4 U22.3
Net-(U18-Pad4): U18.4 U23.3
Net-(U21-Pad4): U21.4 U26.1
Net-(U24-Pad4): U24.4 U27.1
Net-(U25-Pad4): U25.4 U28.1
Net-(U26-Pad4): U26.4 U29.3
Net-(U27-Pad4): U27.4 U30.6
Net-(U28-Pad4): U28.4 U31.6
Net-(U29-Pad4): U29.4 U32.3
Net-(U33-Pad4): U33.4 U37.3
Net-(U40-Pad4): U40.4 U42.3 U47.3
Net-(U42-Pad4): U42.4 U44.6
Net-(U43-Pad4): U43.4 U44.1 U46.1
Net-(U45-Pad4): U45.4 U46.6

Pads without a net: H1 1; H2 1; H3 1; H4 1; J4 11 12; J5 11 12; J6 11 12; J7 11 12; J8 11 12; J9 11 12; J10 11 12; J11 11 12; J12 11 12; J13 11 12; SW5 1 4; U38 3

## Via types
v1: diameter 0.864, hole 0.457, Top to Bottom, 310 vias
v2: diameter 0.457, hole 0.254, Top to Bottom, 1353 vias

## Routing (per net, layer and track width the routed paths; a pad name or vN(x,y) marks a point on that pad's centre or on a via; arc(x,y) is an arc through that point)
GND: length 325
  Top w0.305: J3.6 119.15,117.5 125.97,110.68 125.97,103.27
  Top w0.508: v1(10.47,107.05) 10.5,107.08 10.5,108.57 ; 6.5,83.17 6.5,81.74 v1(6.41,81.65) ; v1(8.44,81.65) 8.5,81.71 8.5,83.17 ; C53.2 43.99,80.12 v1(44,80.13) ; U60.2 U60.3 25.58,57.91 v1(25.2,58.29) ; 6.5,95.87 6.5,94.44 v1(6.41,94.35) ; v1(29.77,20.19) 30.15,19.81 U68.3 U68.2 ; 8.5,45.07 8.5,43.61 v1(8.44,43.55) ; 10.5,70.47 10.5,68.98 v1(10.47,68.95) ; J11.1 J11.3 ; v1(79.56,98.42) 79.56,98.49 80.25,99.18 U24.2 ; v1(6.41,30.85) 6.5,30.94 6.5,32.37 ; 6.5,70.47 6.5,69.04 v1(6.41,68.95) ; v1(12.5,68.95) 12.5,68.96 12.5,70.47 13.5,70.47 ; 13.5,32.37 12.5,32.37 12.5,30.86 v1(12.5,30.85) ; v1(55.68,109.59) 54.67,109.59 ; C39.2 43.99,36.18 v1(44,36.19) ; 28.75,103.26 v1(28.76,103.24) 28.75,103.26 ; 28.75,103.26 C58.2 28.75,103.26 ; v1(85.65,86.23) 86.42,86.99 U28.2 ; U55.2 U55.3 21.01,57.91 v1(20.63,58.29) ; U81.2 U81.3 25.58,83.31 v1(25.2,83.69) ; U84.2 U84.3 30.15,83.31 v1(29.77,83.69) ; v1(10.47,56.25) 10.5,56.28 10.5,57.77 ; U16.2 74.15,91.05 73.46,90.36 v1(73.46,90.29) ; U51.3 U51.2 74.66,117.47 v1(73.97,118.16) 73.96,118.17 C33.2 ; 19.6,103.26 C59.2 19.6,103.26 ; 19.6,103.26 v1(19.61,103.24) 19.6,103.26 ; v1(29.77,58.29) 30.15,57.91 U59.3 U59.2 ; v1(24.19,14.34) 24.17,14.36 C49.2 ; J5.7 72.96,70.49 v1(72.95,70.48) ; v1(66.1,38.47) 66.11,38.46 C28.2 ; J12.1 J12.3 ; J4.7 72.96,111.64 v1(72.95,111.63) ; v1(50.6,113.15) 51.61,113.15 51.64,113.12 ; C17.2 54.65,93.83 v1(54.67,93.85) ; 24.17,90.56 v1(24.19,90.54) 24.17,90.56 ; 24.17,90.56 C56.2 ; v1(25.2,96.39) 25.58,96.01 U74.3 U74.2 ; C7.2 71.95,86.21 v1(71.94,86.23) ; C40.2 43.99,43.03 v1(44,43.05) ; v1(54.92,86.73) 55.43,86.23 55.43,85.84 ; v1(29.77,96.39) 30.15,96.01 U79.3 U79.2 ; v1(44,29.33) 43.99,29.32 C38.2 ; 19.6,65.16 v1(19.61,65.14) 19.6,65.16 ; 19.6,65.16 C62.2 ; v1(29.77,109.09) 30.15,108.71 U76.3 U76.2 ; U78.2 U78.3 25.58,108.71 v1(25.2,109.09) ; U67.2 U67.3 25.58,19.81 v1(25.2,20.19) ; J10.1 J10.3 ; v1(6.41,56.25) 6.5,56.34 6.5,57.77 ; U62.2 U62.3 21.01,45.21 v1(20.63,45.59) ; U42.2 71.36,51.43 70.67,50.74 v1(70.67,50.67) ; v1(91.5,65.91) 91.51,65.92 C5.2 ; v1(12.5,43.55) 12.5,43.56 12.5,45.07 13.5,45.07 ; v1(50.6,67.94) 50.63,67.96 J2.1 ; C19.2 59.76,98.41 v1(59.75,98.42) ; C52.2 63.8,118.24 v1(63.81,118.23) 63.81,118.16 64.5,117.47 U70.2 U70.3 ; U22.1 U22.2 46.1,57.78 46.79,58.47 ; 24.17,65.16 v1(24.19,65.14) 24.17,65.16 ; 24.17,65.16 C57.2 ; C6.2 111.83,65.92 v1(111.82,65.91) ; C64.2 19.6,77.86 ; 19.6,77.86 v1(19.61,77.84) 19.6,77.86 ; v1(8.44,30.85) 8.5,30.91 8.5,32.37 ; v1(67.37,90.29) 68.13,91.05 U13.2 ; C43.2 28.75,39.76 v1(28.76,39.74) ; v1(6.41,43.55) 6.5,43.64 6.5,45.07 ; U38.2 v1(61.02,39.24) ; 10.5,83.17 10.5,81.68 v1(10.47,81.65) ; C61.2 28.75,90.56 ; 28.75,90.56 v1(28.76,90.54) 28.75,90.56 ; v1(19.61,14.34) 19.6,14.36 C51.2 ; v1(6.41,18.15) 6.5,18.24 6.5,19.67 ; 10.5,45.07 10.5,43.58 v1(10.47,43.55) ; v1(56.95,56) U26.2 ; v1(70.92,70.48) 70.96,70.52 J5.5 ; v1(25.2,45.59) 25.58,45.21 U63.3 U63.2 ; v1(79.56,55.24) 79.62,55.17 R55.2 ; U56.2 U56.3 ; v1(69.9,55.24) 69.84,55.19 R54.2 ; v1(12.5,81.65) 12.5,81.66 12.5,83.17 13.5,83.17 ; v1(28.76,27.04) 28.75,27.06 C47.2 ; C32.2 68.88,118.24 v1(68.89,118.23) 68.89,118.16 69.58,117.47 U50.2 U50.3 ; v1(6.41,107.05) 6.5,107.14 6.5,108.57 ; v1(25.2,70.99) 25.58,70.61 U75.3 U75.2 ; C30.2 49.09,104.75 v1(49.08,104.77) ; J9.1 J9.3 ; v1(12.5,56.25) 12.5,56.26 12.5,57.77 13.5,57.77 ; 13.5,108.57 12.5,108.57 12.5,107.06 v1(12.5,107.05) ; 28.75,77.86 v1(28.76,77.84) 28.75,77.86 ; 28.75,77.86 C66.2 ; J4.10 J4.9 74.96,111.65 v1(74.99,111.63) ; v1(10.47,94.35) 10.5,94.38 10.5,95.87 ; v1(68.89,70.48) 68.96,70.55 J5.3 ; C41.2 28.75,52.46 v1(28.76,52.44) ; v1(78.54,102.48) 78.56,102.47 C3.2 ; C63.2 24.17,77.86 ; 24.17,77.86 v1(24.19,77.84) 24.17,77.86 ; v1(20.63,20.19) 21.01,19.81 U69.3 U69.2 ; 8.5,70.47 8.5,69.01 v1(8.44,68.95) ; U15.2 74.15,103.24 73.46,102.56 v1(73.46,102.48) ; U27.2 86.42,99.18 v1(85.65,98.42) ; v1(29.77,32.89) 30.15,32.51 U65.3 U65.2 ; v1(12.5,18.15) 12.5,18.16 12.5,19.67 13.5,19.67 ; U80.2 U80.3 21.01,70.61 v1(20.63,70.99) ; v1(99.88,12.06) 99.89,12.07 C24.2 ; C54.2 43.99,86.97 v1(44,86.99) ; C45.2 24.17,39.76 v1(24.19,39.74) ; C44.2 19.6,39.76 v1(19.61,39.74) ; v1(8.44,56.25) 8.5,56.31 8.5,57.77 ; v1(20.63,83.69) 21.01,83.31 U82.3 U82.2 ; 46.79,62.53 46.1,61.84 U23.2 U23.1 ; v1(8.44,107.05) 8.5,107.11 8.5,108.57 ; v1(121.98,12.06) 121.99,12.07 C25.2 ; v1(79.56,86.23) 79.56,86.3 80.25,86.99 U25.2 ; 24.17,103.26 C60.2 24.17,103.26 ; 24.17,103.26 v1(24.19,103.24) 24.17,103.26 ; v1(24.19,52.44) 24.17,52.46 C42.2 ; v1(59.75,104.01) 59.76,104.02 C18.2 ; C55.2 43.99,93.83 v1(44,93.85) ; v1(67.37,102.48) 67.37,102.61 68,103.24 U12.2 ; v1(71.94,98.42) 71.95,98.41 C2.2 ; 10.5,19.67 10.5,18.18 v1(10.47,18.15) ; U83.2 U83.3 21.01,96.01 v1(20.63,96.39) ; U47.2 v1(70.67,56.76) ; 13.5,95.87 12.5,95.87 12.5,94.36 v1(12.5,94.35) ; 28.75,65.16 v1(28.76,65.14) 28.75,65.16 ; 28.75,65.16 C67.2 ; v1(55.68,113.15) 54.67,113.15 54.64,113.12 ; C16.2 50.59,93.83 v1(50.6,93.85) ; v1(50.6,109.59) 50.63,109.62 51.64,109.62 ; R24.2 v1(37.65,62.35) ; 19.6,90.56 v1(19.61,90.54) 19.6,90.56 ; 19.6,90.56 C65.2 ; v1(8.44,94.35) 8.5,94.41 8.5,95.87 ; 10.5,32.37 10.5,30.88 v1(10.47,30.85) ; U85.2 U85.3 30.15,70.61 v1(29.77,70.99) ; v1(28.76,14.34) 28.75,14.36 C50.2 ; v1(29.77,45.59) 30.15,45.21 U61.3 U61.2 ; v1(65.59,12.06) 65.6,12.07 C26.2 ; J4.3 68.96,111.7 v1(68.89,111.63) ; C46.2 19.6,27.06 v1(19.61,27.04) ; J2.1 50.63,71.46 v1(50.6,71.49) ; v1(74.99,70.48) 74.96,70.5 J5.9 J5.10 ; U29.2 62.79,56 ; U64.2 U64.3 21.01,32.51 v1(20.63,32.89) ; 55.44,59.29 v1(55.43,59.3) ; U53.3 U53.2 69.58,76.32 68.89,77.01 v1(68.89,77.08) 68.88,77.09 C35.2 ; U32.2 62.79,60.06 ; v1(38.92,56) 38.85,56.06 R25.2 ; J2.4 55.65,71.46 v1(55.68,71.49) ; J7.1 J7.3 ; 59.76,90.28 v1(59.75,90.29) ; J6.1 J6.3 ; C37.2 19.6,52.46 v1(19.61,52.44) ; C8.2 78.56,90.28 v1(78.54,90.29) ; 72.79,38.46 v1(72.74,38.41) ; C36.2 73.96,77.02 v1(73.97,77.01) 74.66,76.32 U54.2 U54.3 ; v1(55.68,67.94) 55.66,67.96 J2.4 ; U66.2 U66.3 25.58,32.51 v1(25.2,32.89) ; v1(57.21,75.81) 57.19,75.83 ; U77.2 U77.3 21.01,108.71 v1(20.63,109.09) ; U52.3 U52.2 64.5,76.32 63.81,77.01 v1(63.81,77.08) 63.8,77.09 C34.2 ; J8.1 J8.3 ; v1(66.1,34.41) 66.1,34.48 66.78,35.17 U37.2 U37.1 ; v1(70.92,111.63) 70.96,111.67 J4.5 ; J13.1 J13.3 ; C48.2 24.17,27.06 v1(24.19,27.04) ; v1(8.44,18.15) 8.5,18.21 8.5,19.67 ; v1(76.76,51.43) U45.2